# Altium PCB DIOT_PSU_AC_180.pcbdoc (part 1 of 2)
Units mm, origin at the board's own origin, x right, y up, seen from the top; angles counter-clockwise.
Board outline 159 x 100 mm, 2 copper layers (Top Layer, Bottom Layer), stack 1.57 mm thick; 95 components, 71 nets, 361 pads, 64 vias.
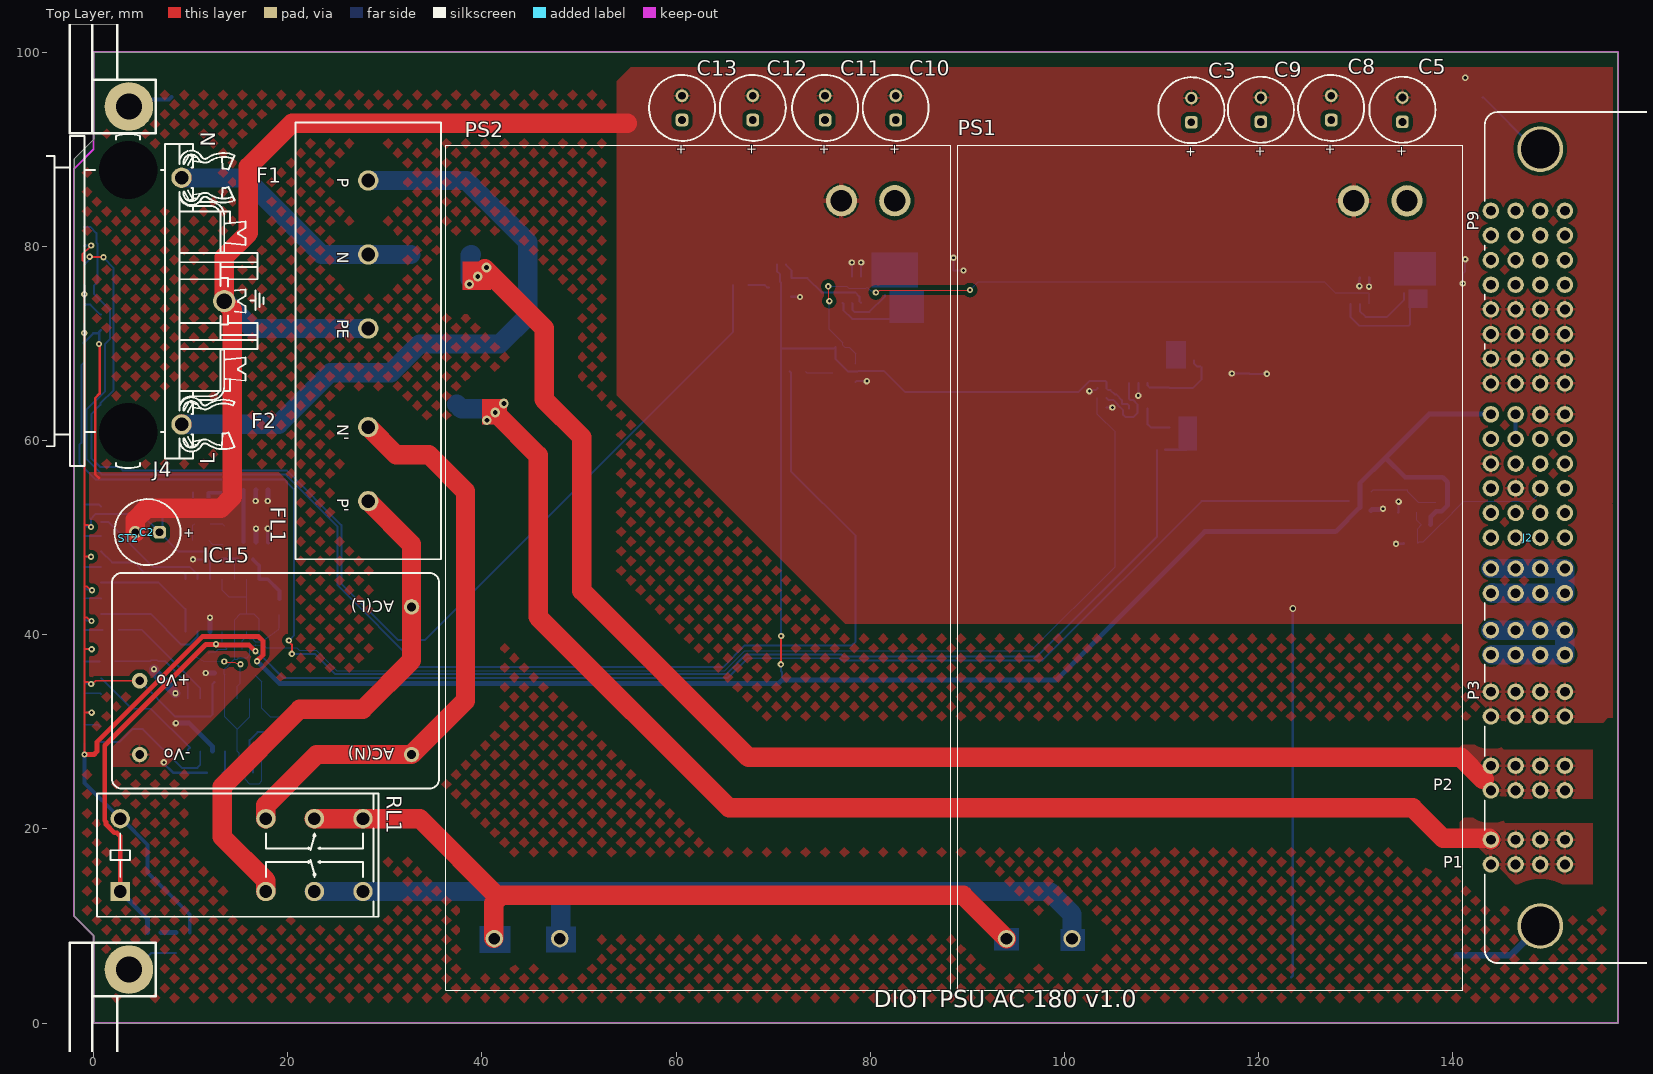
[diagram p0: Top Layer view]
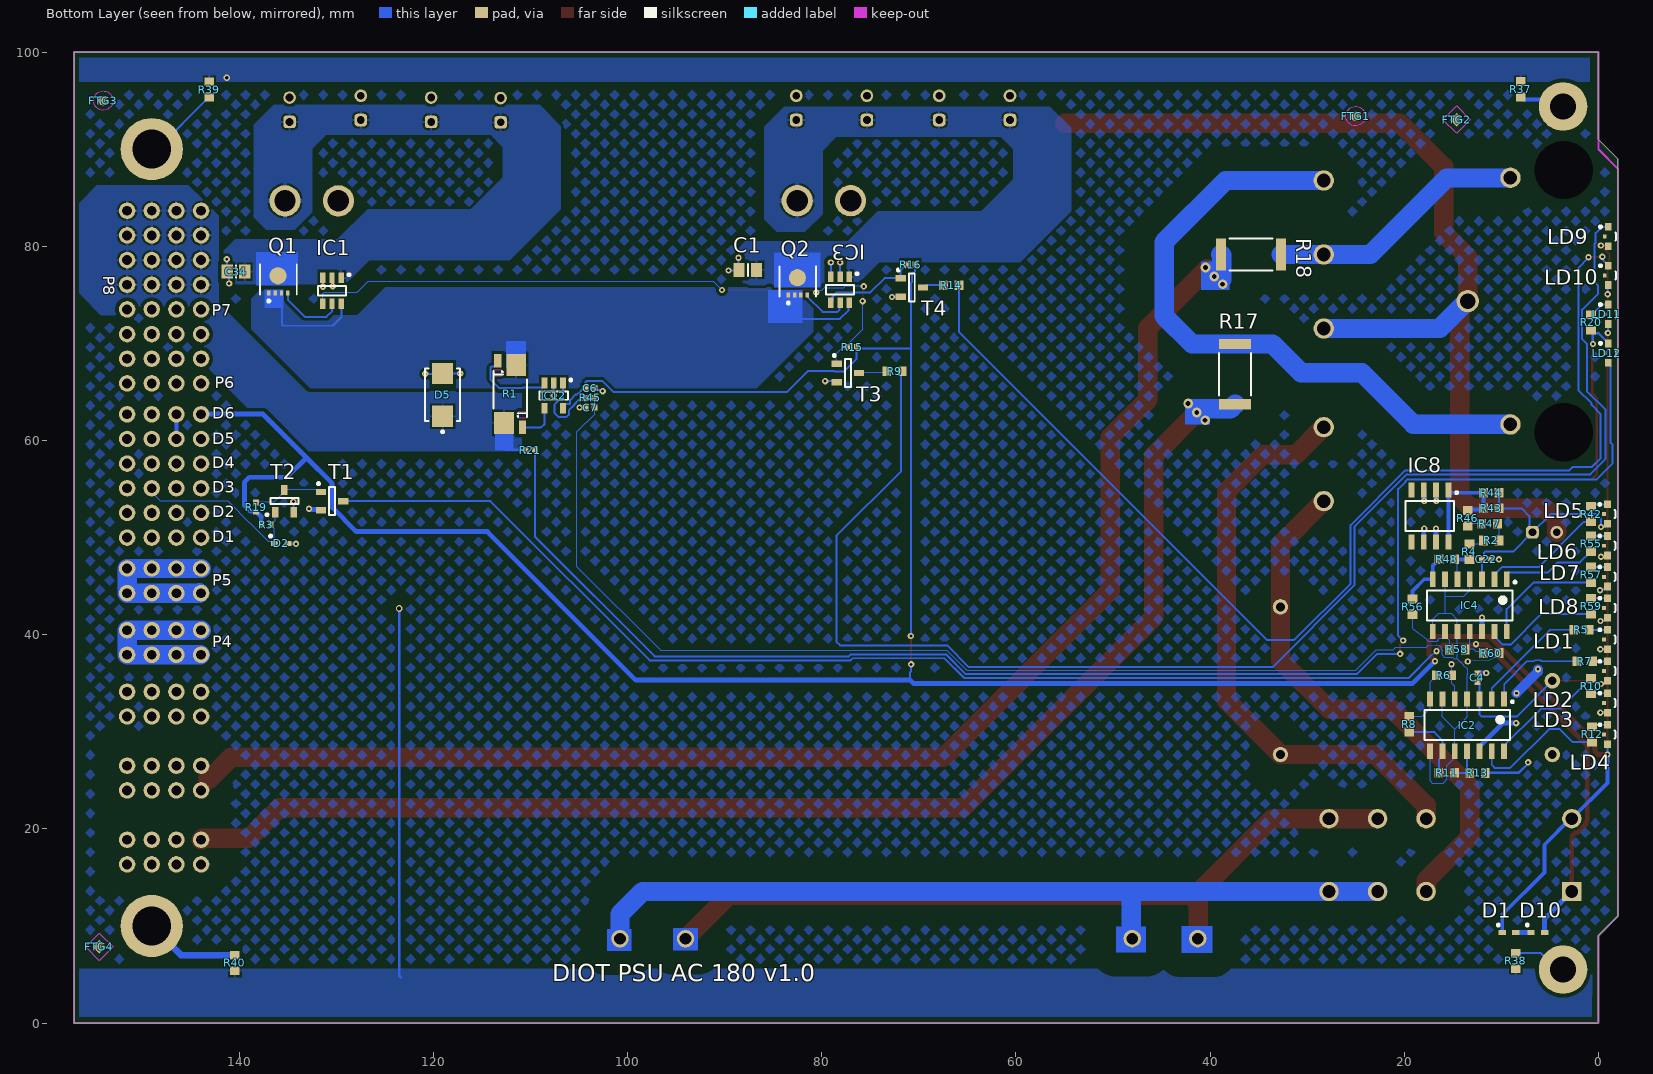
[diagram p1: Bottom Layer view, seen from below]
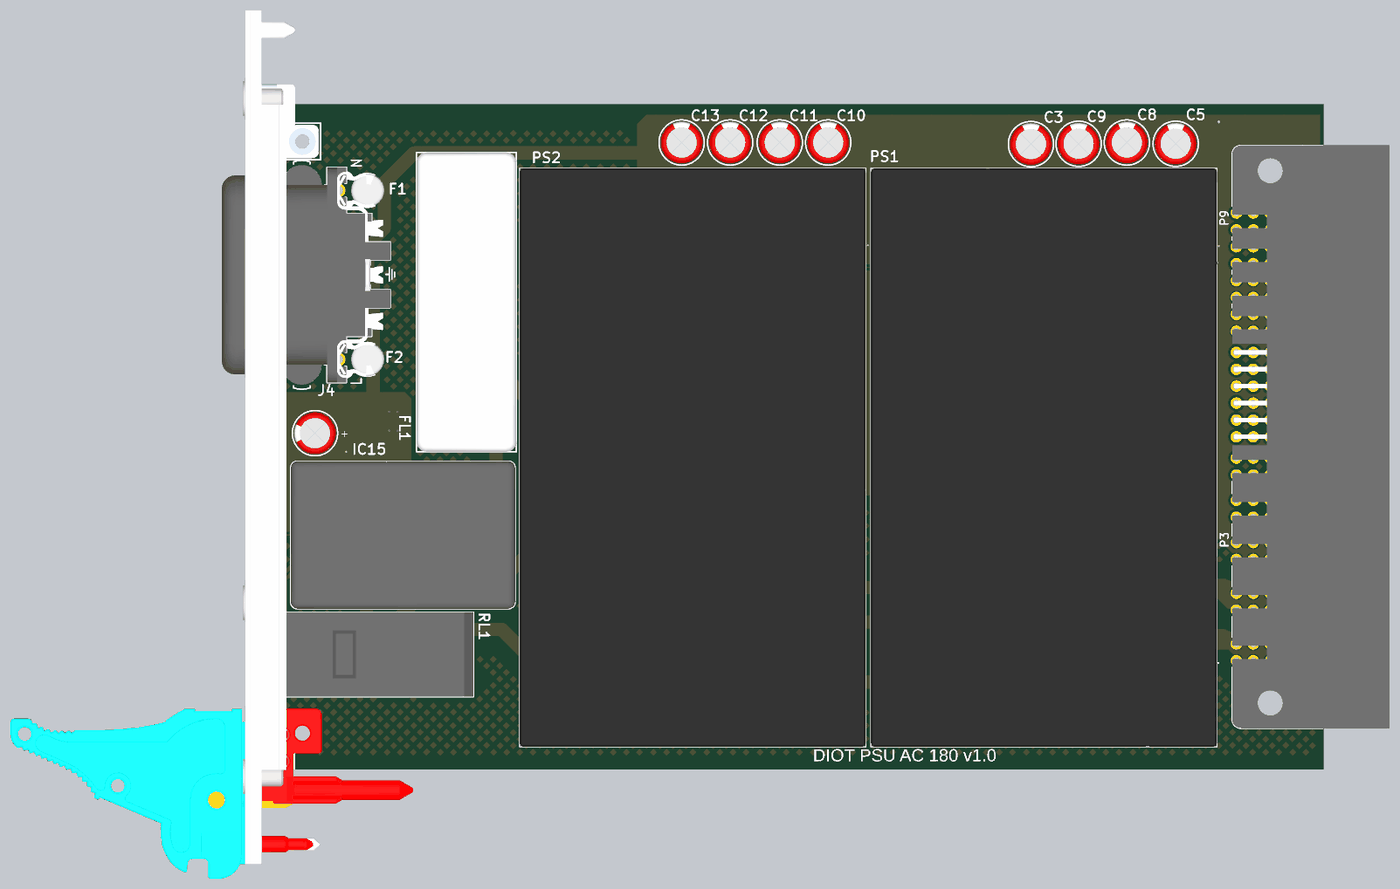
[diagram p3: 3D render of the assembled board from above, using the file's embedded part models]
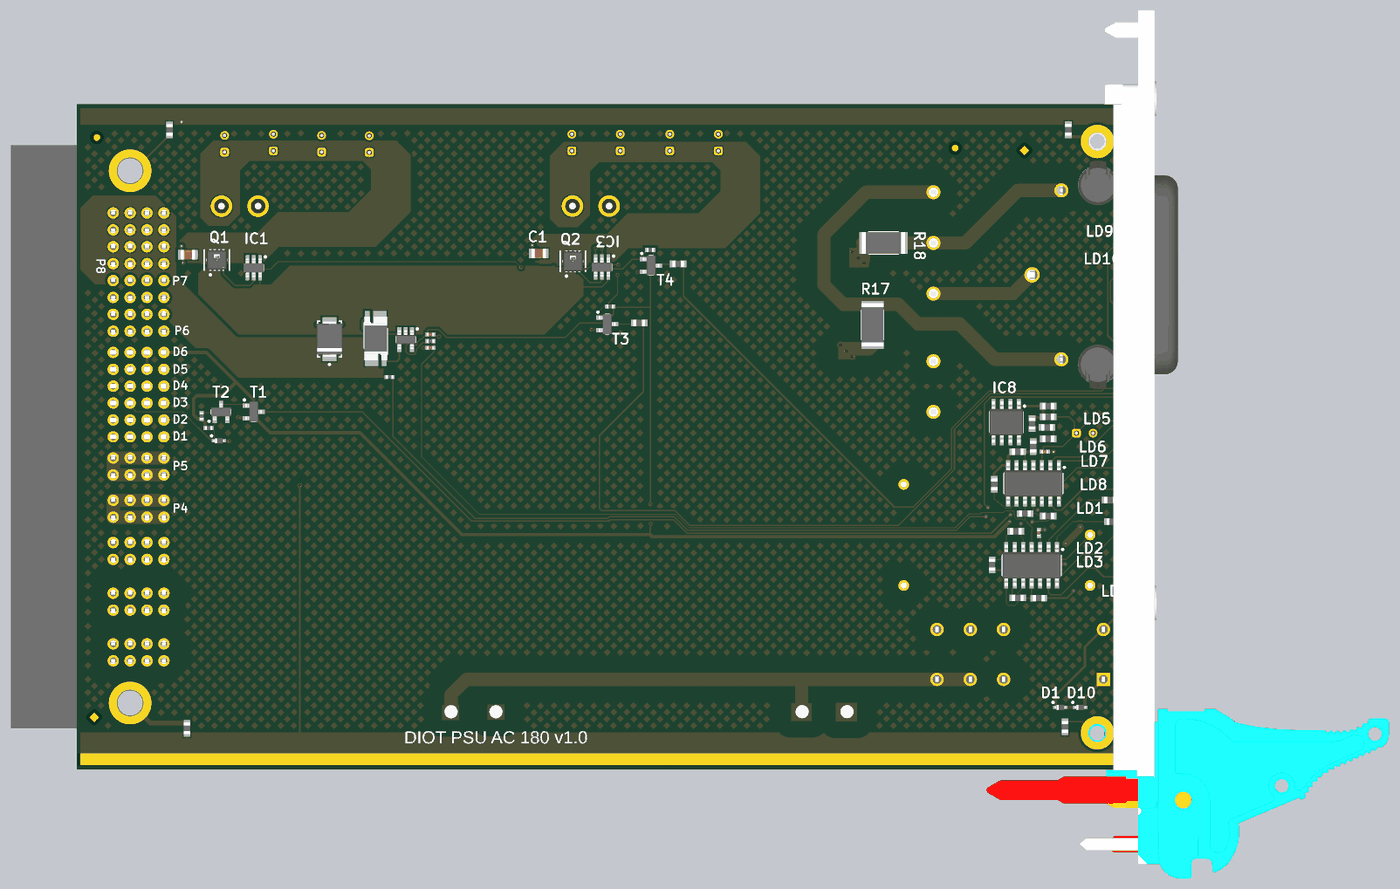
[diagram p4: 3D render of the assembled board from below, using the file's embedded part models]

## Layer stack, top to bottom
Top Solder: solder mask 0.01, Solder Resist, Dk 3.5
Top Layer: signal copper 0.035
Dielectric 6: core 1.5, FR-4, Dk 4.6
Bottom Layer: signal copper 0.035
Bottom Solder: solder mask 0.01, Solder Resist, Dk 3.5

## Board outline
-2,11 0,9 0,0 157,0 157,100 0,100 0,91 -2,89

## Design rules (kind name [scope] priority, off if disabled: settings)
Clearance Clearance_AC [InNetClass('AC')] p1: gap=2.5 ignorepadtopadclearanceinfootprint=FALSE
Clearance Clearance_NT [InComponent('NT*')] p2: gap=0 ignorepadtopadclearanceinfootprint=TRUE
Clearance Clearance_Poly [InPoly] p3: gap=0.3 ignorepadtopadclearanceinfootprint=FALSE
Clearance [All vs not HasFootprint('Net Tie')] p4: gap=0.2 ignorepadtopadclearanceinfootprint=FALSE
ComponentClearance ComponentClearance_pressfit [HasCompParameterValue('PressFit','Yes') vs InComponent('No Component')] p1: gap=5 collisioncheckmode=3 verticalgap=0.254 showdistances=FALSE
ComponentClearance ComponentClearance_NM [InComponentClass('NotMounted')] p2: gap=0 collisioncheckmode=3 verticalgap=0 showdistances=FALSE
ComponentClearance ComponentClearance_Top [not InComponentClass('Overlapping') and InComponentClass('Top Side Components') vs InComponentClass('Top Side Components')] p3: gap=0 collisioncheckmode=3 verticalgap=2540 showdistances=FALSE
ComponentClearance Overlapping [InComponentClass('Overlapping') vs InComponentClass('Overlapping')] p4: gap=0 collisioncheckmode=3 verticalgap=0 showdistances=FALSE
DiffPairsRouting [All] p1: maxlimit=0.2 minlimit=0.2 mostfreqgap=0.2 toplayer_minwidth=0.1 toplayer_maxwidth=0.1 toplayer_prefwidth=0.1 bottomlayer_minwidth=0.1 bottomlayer_maxwidth=0.1 bottomlayer_prefwidth=0.1 maxuncoupledlength=50
FabricationTestPointUsage TestPointUsage [All] p1: valid=0 allowmultiple=FALSE
FabricationTestpoint Testpoint [All] p1: side=3 testpointundercomponent=TRUE minsize=1.016 maxsize=2.54 preferedsize=1.524 minholesize=0 maxholesize=1.016 preferedholesize=0.813 testpointgrid=0.025 allowsidetop=TRUE allowsidebottom=TRUE usegrid=TRUE gridtolerance=0
Height [All] p1: minheight=0 maxheight=25 prefheight=10
HoleSize [All] p1: absolutevalues=TRUE maxlimit=5 minlimit=0.2 maxpercent=80.000 minpercent=20.000
HoleToHoleClearance [All] p1: gap=0.2 allowstackedmicrovias=TRUE
Length "Length CPCIs2a + XS" [InNetClass('CPCIs2a') or InxSignalClass('CPCIs2 XS')] p1: maxlimit=126 minlimit=121
Length "Length CPCIs5a + XS" [InNetClass('CPCIs5a')    or InxSignalClass('CPCIs5 XS')] p2: maxlimit=155.1 minlimit=151
MatchedLengths DiffPair_gbtclkm2c_MatchedLengths [InDifferentialPair ('FMCGBTCLKM2C_C1') Or InDifferentialPair ('FMCGBTCLKM2C_C0')] p1: tolerance=5 checknetsindiffpair=FALSE checkdiffpairvsdiffpair=TRUE checkxsignals=TRUE checkothers=TRUE
MatchedLengths DiffPair_gbtxClockDes_MatchedLengths [InDifferentialPair ('GBTXCLOCKDES_N0') Or InDifferentialPair ('GBTXCLOCKDES_P0') Or InDifferentialPair ('GBTXCLOCKDES_N1') Or InDifferentialPair ('GBTXCLOCKDES_P1')Or InDifferentialPair ('GBTXCLOCKDES_N2') Or InDifferentialPair ('GBTXCLOCKDES_P2')Or InDifferentialPair ('GBTXCLOCKDES_N3') Or InDifferentialPair ('GBTXCLOCKDES_P3') Or InDifferentialPair ('GBTXCLOCKDES_N4') Or InDifferentialPair ('GBTXCLOCKDES_P4')] p2: tolerance=5 checknetsindiffpair=FALSE checkdiffpairvsdiffpair=TRUE checkxsignals=TRUE checkothers=TRUE
MatchedLengths DiffPair_Scout_ScclkMatchedLengths [InDifferentialPair ('GBTXELINKSSCCLK') Or InDifferentialPair ('GBTXELINKSSCOUT')] p3: tolerance=5 checknetsindiffpair=FALSE checkdiffpairvsdiffpair=TRUE checkxsignals=TRUE checkothers=TRUE
MinimumAnnularRing MinimumAnnularRing_Via [IsVia] p1: minimumring=0.12
MinimumAnnularRing [All] p2: minimumring=0.12
MinimumSolderMaskSliver [IsThruPin vs IsThruPin] p1: minsoldermaskwidth=0.05
NetAntennae [All] p1 off: netantennaetolerance=0
PermittedLayers [All] p1: toplayerpermitted=TRUE bottomlayerpermitted=FALSE
PlaneClearance PlaneClearance_ac [InNetClass('AC')] p1: clearance=2
PlaneClearance [All] p2: clearance=0.25
PlaneConnect PlaneConnect_ft_pcbm [InPadClass('ft_pcbm')] p1: planeconnectstyle=Relief reliefexpansion=0.25 reliefentries=4 reliefconductorwidth=0.2 reliefairgap=0.2
PlaneConnect PlaneConnect_Vias [IsVia or InPadClass('Direct')] p2: planeconnectstyle=Direct reliefexpansion=0.508 reliefentries=4 reliefconductorwidth=0.254 reliefairgap=0.254
PlaneConnect "PlaneConnect_0 > 0.5" [AsMM(HoleDiameter)<0.5] p3: planeconnectstyle=Relief reliefexpansion=0.3 reliefentries=4 reliefconductorwidth=0.2 reliefairgap=0.2
PlaneConnect "PlaneConnect_0.5 > 1" [(AsMM(HoleDiameter)>=0.5) and (AsMM(HoleDiameter)<1)] p4: planeconnectstyle=Relief reliefexpansion=0.3 reliefentries=4 reliefconductorwidth=0.25 reliefairgap=0.2
PlaneConnect "PlaneConnect_1 > 1.5" [(AsMM(HoleDiameter)>=1) and (AsMM(HoleDiameter)<1.5)] p5: planeconnectstyle=Relief reliefexpansion=0.3 reliefentries=4 reliefconductorwidth=0.3 reliefairgap=0.2
PlaneConnect "PlaneConnect_1.5 > 2" [(AsMM(HoleDiameter)>=1.5) and (AsMM(HoleDiameter)<2)] p6: planeconnectstyle=Relief reliefexpansion=0.3 reliefentries=4 reliefconductorwidth=0.4 reliefairgap=0.2
PlaneConnect [All] p7: planeconnectstyle=Relief reliefexpansion=0.3 reliefentries=4 reliefconductorwidth=0.5 reliefairgap=0.2
PolygonConnect PolygonConnect_Vias [IsVia or InPadClass('Direct') or InNetClass('ESD_STRIP')] p1: connectstyle=Direct reliefconductorwidth=0.254 reliefentries=4 polygonreliefangle="90 Angle" airgapwidth=0.254
PolygonConnect "PolygonConnect_0 > 0.5" [AsMM(HoleDiameter)<0.5] p2: connectstyle=Relief reliefconductorwidth=0.2 reliefentries=4 polygonreliefangle="90 Angle" airgapwidth=0.2
PolygonConnect "PolygonConnect_0.5 > 1" [(AsMM(HoleDiameter)>=0.5) and (AsMM(HoleDiameter)<1)] p3: connectstyle=Relief reliefconductorwidth=0.25 reliefentries=4 polygonreliefangle="90 Angle" airgapwidth=0.2
PolygonConnect "PolygonConnect_1 > 1.5" [(AsMM(HoleDiameter)>=1) and (AsMM(HoleDiameter)<1.5)] p4: connectstyle=Relief reliefconductorwidth=0.3 reliefentries=4 polygonreliefangle="90 Angle" airgapwidth=0.2
PolygonConnect "PolygonConnect_1.5 > 2" [(AsMM(HoleDiameter)>=1.5) and (AsMM(HoleDiameter)<2)] p5: connectstyle=Relief reliefconductorwidth=0.4 reliefentries=4 polygonreliefangle="90 Angle" airgapwidth=0.2
PolygonConnect [All] p6: connectstyle=Relief reliefconductorwidth=0.5 reliefentries=4 polygonreliefangle="90 Angle" airgapwidth=0.2
RoomDefinition U_PWR_stage_AC [InComponentClass('U_PWR_stage_AC')] p1: confinementstyle=ConfineIn formatcopy=TRUE lockcomponents=FALSE outline 158.151,27.249 162.262,27.249 162.262,14.236 158.151,14.236
RoomDefinition U_Mechanics [InComponentClass('U_Mechanics')] p2: confinementstyle=ConfineIn formatcopy=TRUE lockcomponents=FALSE outline 158.151,98.013 145.919,98.013 145.919,100.795 158.151,100.795
RoutingVias [All] p1: holewidth=0.3 width=0.65 viastyle="Through Hole" minholewidth=0.2 minwidth=0.45 maxholewidth=1 maxwidth=2
ShortCircuit ShortCircuit_NT [InComponent('J34') or  InComponent('J31') or InComponent('J30') or InComponent('J29') or InComponent('J33') or InComponent('J26') vs InComponent('NT*')] p1: allowed=TRUE
ShortCircuit [All] p2: allowed=FALSE
SilkToSilkClearance [All] p1: silktosilkclearance=0.05
SilkToSolderMaskClearance [IsPad] p1: minsilkscreentomaskgap=0.01 clearancetoexposedcopper=TRUE
SolderMaskExpansion [All] p1: expansion=0 istentingtop=FALSE
ViasUnderSMD ViasUnderSMD_1 [HasFootprint ('CAPC0603X33N')   or HasFootprint ('RESC1005X40N')  or HasFootprint('CAPC1608X87N')   or HasFootprint('CAPC1005X55N')   or  HasFootprint('Net Tie')] p1: allowed=TRUE
ViasUnderSMD [not InComponentClass('Overlapping')] p2: allowed=FALSE
Width Width_PWR [InNetClass('Power')] p1: maxlimit=1 minlimit=0.254 preferedwidth=0.4 minimp=50.000000 maximp=50.000000 favimp=50.000000
Width [All] p2: maxlimit=2.54 minlimit=0.127 preferedwidth=0.127
16 further rules are at their usual default settings.

## Classes and differential pairs
component class U_LED_bargraph: C4 C22 IC2 IC4 IC8 LD1 LD2 LD3 LD4 LD5 LD6 LD7 LD8 R2 R4 R5 R6 R7 R8 R10 R11 R12 R13 R42 R43 R44 R46 R47 R48 R55 R56 R57 R58 R59 R60
net class AC: AC_L AC_N MAINS_L MAINS_L_sw MAINS_N MAINS_N_sw NetFL1_N NetFL1_P
component class U_PWR_stage_AC: C1 C2 C3 C5 C6 C7 C8 C9 C10 C11 C12 C13 C34 D1 D5 D10 F1 F2 FL1 IC1 IC3 IC12 IC15 J4 PS1 PS2 Q1 Q2 R1 R17 R18 R45 RL1 T1
component class U_Mechanics: R37 R38 ST2
net class Power: P12V0_OUT
component class DIOT_PSU_AC_180: D2 FTG1 FTG2 FTG3 FTG4 J2 JP1 LD9 LD10 LD11 LD12 R3 R9 R14 R15 R16 R19 R20 R21 R39 R40 T2 T3 T4

## Components (designator, comment, footprint, x,y, rotation, side; value= is the part's Value field where it differs from the comment)
C1 "2.2uF" CAPC2013X145N 87.603,77.564 r180 bottom
C2 "120µF" WCAP-ATLI_D6.3H15 5.553,50.554 r0 top
C3 "120µF" WCAP-ATLI_D6.3H15 113.069,94.014 r270 top
C4 "100nF" CAPC1005X55N 12.461,35.575 r270 bottom
C5 "120µF" WCAP-ATLI_D6.3H15 134.802,94.061 r270 top
C6 "100nF" CAPC1005X55N 103.862,65.399 r0 bottom
C7 "10nF" CAPC1005X55N 103.862,63.392 r180 bottom
C8 "120µF" WCAP-ATLI_D6.3H15 127.469,94.25 r270 top
C9 "120µF" WCAP-ATLI_D6.3H15 120.227,94.061 r270 top
C10 "120µF" WCAP-ATLI_D6.3H15 82.619,94.252 r270 top
C11 "120µF" WCAP-ATLI_D6.3H15 75.35,94.252 r270 top
C12 "120µF" WCAP-ATLI_D6.3H15 67.901,94.252 r270 top
C13 "120µF" WCAP-ATLI_D6.3H15 60.609,94.252 r270 top
C22 "100nF" CAPC1005X55N 11.561,47.761 r0 bottom
C34 "2.2uF" CAPC2013X145N 140.321,77.381 r180 bottom
D1 "PESD3V3S1UB" SODFL1608X65N 9.218,9.336 r180 bottom
D2 "PESD3V3S1UB" SODFL1608X65N 135.665,49.404 r180 bottom
D5 "P6SMB15A" DIOM5436X261N 119.041,64.693 r90 bottom
D10 "PESD3V3S1UB" SODFL1608X65N 6.244,9.336 r180 bottom
F1 "10A-250VAC" FUSE_5X20_GLASS_v 13.468,87.054 r0 top
F2 "10A-250VAC" FUSE_5X20_GLASS_v 13.468,61.665 r0 top
FL1 "1A/250VAC" "FIL_SCHAFFNER_FN 406" 28.29,70.265 r270 top locked
FTG1 "Use only in PCB" FIDUCIAL_TOP_C100-200 25.023,93.407 r90 bottom
FTG2 "Use only in PCB" FIDUCIAL_TOP_S100-200 14.618,93.053 r90 bottom
FTG3 "Use only in PCB" FIDUCIAL_TOP_C100-200 154,95 r90 bottom
FTG4 "Use only in PCB" FIDUCIAL_TOP_S100-200 154.394,7.843 r90 bottom
IC1 "LTC4412HVIS6" SOT95P280X100-6N 130.432,75.418 r270 bottom
IC2 "LM339AD" SOIC127P600X175-14N 13.535,30.691 r270 bottom
IC3 "LTC4412HVIS6" SOT95P280X100-6N 78.106,75.519 r270 bottom
IC4 "LM339AD" SOIC127P600X175-14N 13.266,43.007 r270 bottom
IC8 "TL431CD" SOIC127P600X175-8N 17.36,52.222 r270 bottom
IC12 "INA194AIDBVT" SOT95P280X145-5N 107.602,64.616 r270 bottom
IC15 "IRM-02-5" PWS_MEANWELL_IRM-02 18.753,35.254 r180 top locked
J2 "PwrBlade" AMPHENOL_51939-667 151.54,83.658 r0 top locked
J4 "IEC" SCHURTER_GSF1.2202.31 3.568,74.354 r90 top locked
LD1 "Green" LED_AVAGO_HSME-C120 -0.932,39.502 r270 bottom
LD2 "Green" LED_AVAGO_HSME-C120 -0.932,36.254 r270 bottom
LD3 "Green" LED_AVAGO_HSME-C120 -0.932,32.967 r270 bottom
LD4 "Green" LED_AVAGO_HSME-C120 -0.932,29.724 r270 bottom
LD5 "Green" LED_AVAGO_HSME-C120 -0.932,52.42 r270 bottom
LD6 "Green" LED_AVAGO_HSME-C120 -0.932,49.154 r270 bottom
LD7 "Green" LED_AVAGO_HSME-C120 -0.932,45.957 r270 bottom
LD8 "Green" LED_AVAGO_HSME-C120 -0.932,42.752 r270 bottom
LD9 "Green" LED_AVAGO_HSME-C120 -1,81 r270 bottom
LD10 "Green" LED_AVAGO_HSME-C120 -1,77 r270 bottom
LD11 "Green" LED_AVAGO_HSME-C120 -1,73 r270 bottom
LD12 "Green" LED_AVAGO_HSME-C120 -1,69 r270 bottom
PS1 "IRM-90-12" CONV_IRM-90-12 115.027,46.883 r90 top locked
PS2 "IRM-90-12" CONV_IRM-90-12 62.273,46.894 r90 top locked
Q1 "AONR21307" FP-DFN3x3A_8L_EP1_P-MFG 135.965,76.595 r180 bottom
Q2 "AONR21307" FP-DFN3x3A_8L_EP1_P-MFG 82.469,76.394 r180 bottom
R1 "0R002" RES_VISHAY_WSK2512_0R005-0R2 112.091,64.788 r90 bottom
R2 "10k" RESC1608X55N 11.046,49.704 r0 bottom
R3 "10k" RESC1005X40N 137.215,51.325 r0 bottom
R4 "10k" RESC1608X55N 13.295,48.532 r270 bottom
R5 "1k" RESC1608X55N 1.753,40.502 r180 bottom
R6 "10k" RESC1608X55N 15.921,35.81 r0 bottom
R7 "1k" RESC1608X55N 1.403,37.254 r180 bottom
R8 "10k" RESC1608X55N 19.488,30.766 r270 bottom
R9 "1k" RESC1608X55N 72.501,67.131 r180 bottom
R10 "1k" RESC1608X55N 0.762,34.709 r270 bottom
R11 "10k" RESC1608X55N 15.623,25.782 r180 bottom
R12 "1k" RESC1608X55N 0.664,29.724 r90 bottom
R13 "10k" RESC1608X55N 12.461,25.757 r180 bottom
R14 "1k" RESC1608X55N 66.651,75.994 r180 bottom
R15 "10k" RESC1005X40N 76.881,69.616 r180 bottom
R16 "10k" RESC1005X40N 70.841,78.105 r180 bottom
R17 "Undefined" RESC6331X70N 37.426,66.834 r90 bottom
R18 "Undefined" RESC6331X70N 35.79,79.155 r180 bottom
R19 "1k" RESC1005X40N 138.263,53.146 r270 bottom
R20 "1k" RESC1608X55N 0.762,72.161 r90 bottom
R21 "10k" RESC1005X40N 110,59 r0 bottom
R37 "0" RESC1608X55N 8.018,96.169 r270 bottom
R38 "0" RESC1608X55N 8.518,6.399 r90 bottom
R39 "0" RESC1608X55N 143.07,96.143 r90 bottom
R40 "0" RESC1608X55N 140.44,6.188 r270 bottom
R42 "1k" RESC1608X55N 0.762,52.42 r90 bottom
R43 "1k" RESC1608X55N 11.046,53.012 r180 bottom
R44 "1k" RESC1608X55N 11.046,54.622 r180 bottom
R45 "10k" RESC1005X40N 103.862,64.383 r0 bottom
R46 "10k" RESC1608X55N 13.468,51.995 r270 bottom
R47 "10k" RESC1608X55N 11.211,51.42 r180 bottom
R48 "10k" RESC1608X55N 15.623,47.761 r0 bottom
R55 "1k" RESC1608X55N 0.762,49.354 r90 bottom
R56 "10k" RESC1608X55N 19.151,42.867 r270 bottom
R57 "1k" RESC1608X55N 0.762,46.157 r90 bottom
R58 "10k" RESC1608X55N 14.536,38.48 r180 bottom
R59 "1k" RESC1608X55N 0.762,42.936 r90 bottom
R60 "10k" RESC1608X55N 11.046,38.102 r180 bottom
RL1 "5VDC" REL_OMRON_G2RL-2-5DC 14.853,17.297 r0 top locked
ST2 "SCHROFF_PANEL_3U_8HP" SCHROFF_PANEL_3HP_8U_CPCIS_AC_PSU 3.652,5.501 r0 top locked
T1 "BSS138LT1G" SOT95P240X110-3N 130.432,53.753 r180 bottom
T2 "BSS138LT1G" SOT95P240X110-3N 135.34,53.753 r90 bottom
T3 "BSS138LT1G" SOT95P240X110-3N 77.307,66.958 r180 bottom
T4 "BSS138LT1G" SOT95P240X110-3N 70.716,75.764 r180 bottom
